# KiCad board reform2-motherboard25.kicad_pcb (continued)
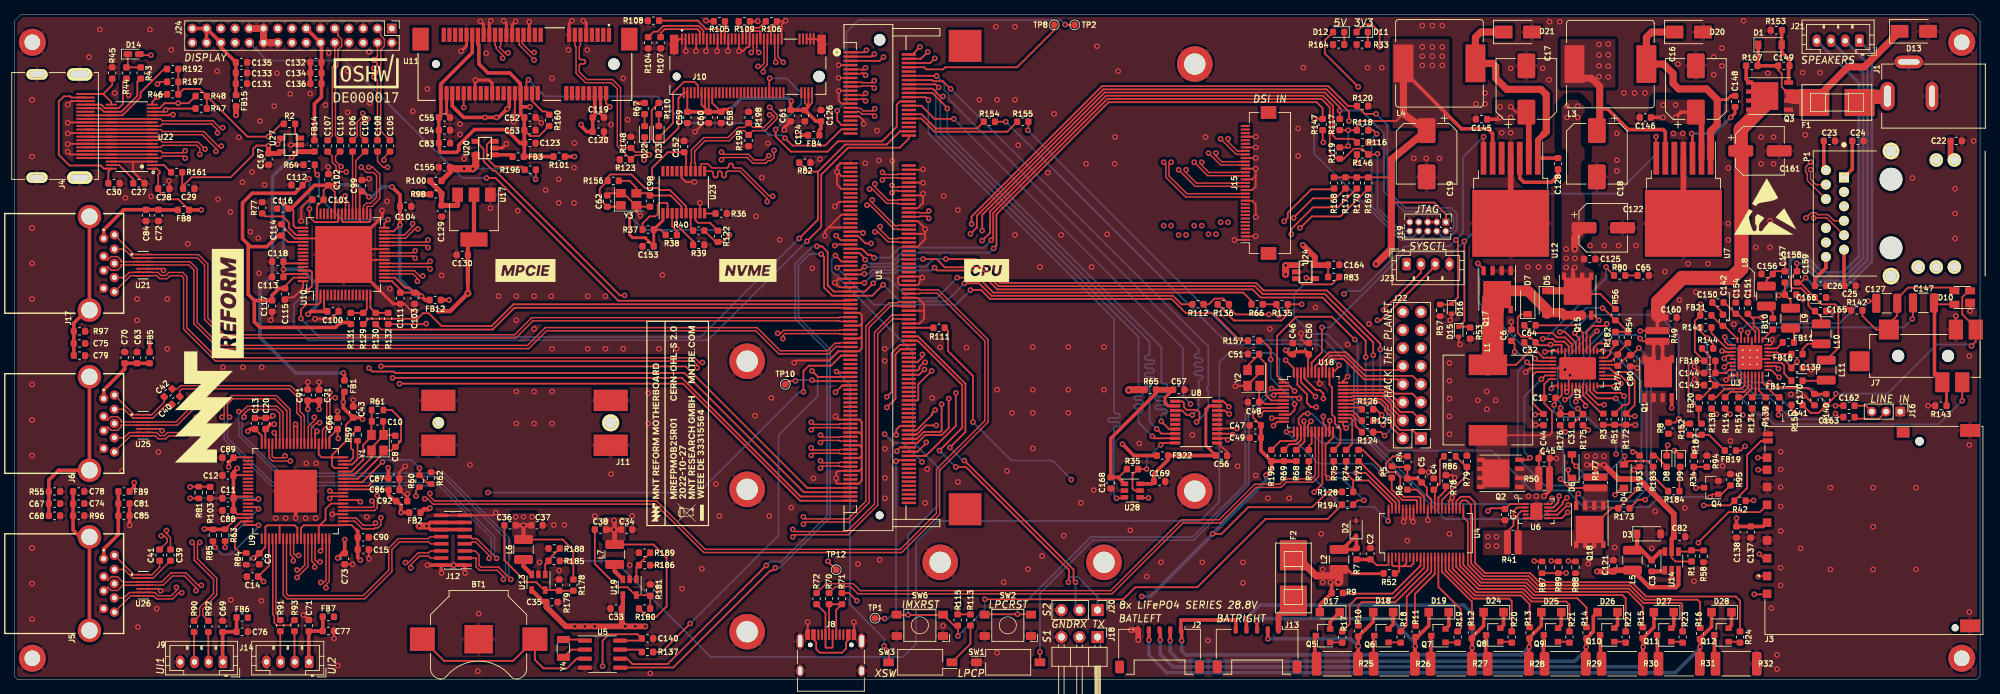
[diagram p0: board, top side]
## Routing (per net, layer and track width the routed paths; a pad name or vN(x,y) marks a point on that pad's centre or on a via; arc(x,y) is an arc through that point) (continued)
USB1_DN: length 135.9
  Top w0.2: v1(57.63,25.43) 58.05,25.43 58.81,24.67 90.01,24.67 96.81,17.88 124.59,17.88 129.93,23.21 129.93,29.41 136.72,36.21 136.72,47.79 129.74,54.78 127.18,54.78 127.1,54.85 U1.100 ; v1(44.3,25.47) 44.6,25.77 46.15,25.77 U9.69
  Signal.Cu w0.2: v1(44.3,25.47) 44.6,25.77 48.69,25.77 49.89,26.97 56.51,26.97 57.63,25.85 v1(57.63,25.43)
USB1_DP: length 134.4
  Top w0.2: v1(44.3,26.53) 44.6,26.23 46.15,26.23 U9.70 ; U1.102 127.1,54.25 127.18,54.33 129.56,54.33 136.28,47.61 136.28,36.39 129.47,29.59 129.47,23.39 124.41,18.33 96.99,18.33 90.19,25.12 58.99,25.12 58.37,25.75 v1(58.37,26.17)
  Signal.Cu w0.2: v1(44.3,26.53) 44.6,26.23 48.51,26.23 49.71,27.42 56.69,27.42 57.95,26.17 v1(58.37,26.17)
USB1_RX_N: length 110.9
  Top w0.2: U1.112 123.23,51.25 120.78,48.79 120.78,24.69 116.91,20.83 109.6,20.83 v1(109.3,21.12) ; U9.62 46.19,22.27 47.81,22.27 48.88,21.2 50.54,21.2 50.67,21.33 51.02,21.33 51.47,21.78 v1(51.47,22.77)
  Signal.Cu w0.2: v1(109.3,21.12) 109,20.83 108.71,20.83 106.61,18.72 55.09,18.72 51.47,22.35 v1(51.47,22.77)
USB1_RX_P: length 109.4
  Top w0.2: U1.114 124.1,50.65 124.02,50.72 123.34,50.72 121.22,48.61 121.22,24.51 117.09,20.37 109.6,20.37 v1(109.3,20.08) ; U9.63 46.19,22.73 47.99,22.73 49.02,21.7 50.4,21.7 v1(50.73,22.03)
  Signal.Cu w0.2: v1(109.3,20.08) 109,20.37 108.89,20.37 106.79,18.28 54.91,18.28 51.15,22.03 v1(50.73,22.03)
USB1_TX_N: length 112.2
  Top w0.2: U1.106 124.1,53.05 124.02,52.97 122.86,52.97 119.57,49.69 119.57,25.09 117.08,22.6 111.1,22.6 v1(110.8,22.9) ; v1(50.97,25.87) 50.97,24.15 50.59,23.77 46.19,23.77 U9.65
  Signal.Cu w0.2: v1(110.8,22.9) 110.5,22.6 108.38,22.6 105.91,20.12 56.29,20.12 50.97,25.45 v1(50.97,25.87)
USB1_TX_P: length 111.2
  Top w0.2: U1.108 124.1,52.45 124.02,52.53 123.04,52.53 120.03,49.51 120.03,24.91 117.27,22.15 111.1,22.15 v1(110.8,21.85) ; U9.66 46.19,24.23 50.41,24.23 50.52,24.34 50.52,24.84 v1(50.23,25.13)
  Signal.Cu w0.2: v1(110.8,21.85) 110.5,22.15 108.57,22.15 106.09,19.67 56.11,19.67 50.65,25.13 v1(50.23,25.13)
USB2_DN: length 117.9
  Top w0.2: U1.125 115.9,47.35 115.82,47.28 115.21,47.28 114.16,46.22 107.54,46.22 104.29,49.47 74.56,49.47 72.06,46.97 28.89,46.97 25.67,50.19 25.67,57.74 24.69,58.72 19.35,58.72 19.33,58.75 U21.12 18.21,58.75 18.19,58.72 18.01,58.72 17.99,58.75 U21.3 16.87,58.75 16.85,58.72 15.01,58.72 15.01,58.96 14.52,59.45 13.6,59.45 13.11,58.96 13.11,58.95 J17.2
USB2_DP: length 117.9
  Top w0.2: J17.3 13.11,58.05 13.11,58.04 13.6,57.55 14.52,57.55 15.01,58.04 15.01,58.28 16.85,58.28 16.87,58.25 U21.4 17.99,58.25 18.01,58.28 18.19,58.28 18.21,58.25 U21.11 19.33,58.25 19.35,58.28 24.51,58.28 25.22,57.56 25.22,50.01 28.71,46.53 72.24,46.53 74.74,49.03 104.11,49.03 107.36,45.78 114.34,45.78 115.39,46.83 115.82,46.83 115.9,46.75 U1.127
USB2_RX_N: length 122
  Top w0.2: J17.5 16.34,56.78 16.85,56.78 16.87,56.75 U21.7 17.99,56.75 18.01,56.78 18.19,56.78 18.21,56.75 U21.8 19.33,56.75 19.35,56.78 20,56.78 20.43,56.35 21.47,56.35 21.9,56.78 23.46,56.78 23.77,56.46 23.77,49.26 28.26,44.78 95.36,44.78 95.88,44.25 v1(95.88,43.83) ; v1(107.92,47.93) 107.92,48.35 108.19,48.62 115.82,48.62 115.9,48.55 U1.121
  Signal.Cu w0.2: v1(107.92,47.93) 107.5,47.93 107.28,47.71 107.28,43.61 104.09,40.42 99.71,40.42 96.3,43.83 v1(95.88,43.83)
USB2_RX_P: length 121.4
  Top w0.2: J17.6 15.42,56.5 16.15,57.22 16.85,57.22 16.87,57.25 U21.6 17.99,57.25 18.01,57.22 18.19,57.22 18.21,57.25 U21.9 19.33,57.25 19.35,57.22 20.19,57.22 20.61,56.8 21.29,56.8 21.71,57.22 23.64,57.22 24.23,56.64 24.23,49.44 28.44,45.22 95.54,45.22 96.2,44.57 v1(96.62,44.57) ; U1.119 115.9,49.15 115.82,49.08 108.01,49.08 107.6,48.67 v1(107.18,48.67)
  Signal.Cu w0.2: v1(107.18,48.67) 107.18,48.25 106.82,47.89 106.82,43.79 103.91,40.88 99.89,40.88 96.62,44.15 v1(96.62,44.57)
USB2_TX_N: length 114.1
  Top w0.2: J17.8 15.42,60.5 16.65,59.28 16.85,59.28 16.87,59.25 U21.2 17.99,59.25 18.01,59.28 18.19,59.28 18.21,59.25 U21.13 19.33,59.25 19.35,59.28 25.71,59.28 26.72,58.26 26.72,50.61 29.31,48.03 70.44,48.03 72.84,50.42 115.82,50.42 115.9,50.35 U1.115
USB2_TX_P: length 114.7
  Top w0.2: U1.113 115.9,50.95 115.82,50.88 72.66,50.88 70.26,48.47 29.49,48.47 27.17,50.79 27.17,58.44 25.89,59.72 19.35,59.72 19.33,59.75 U21.14 18.21,59.75 18.19,59.72 18.01,59.72 17.99,59.75 U21.1 16.87,59.75 16.85,59.72 16.84,59.72 J17.9
USB3_1_DN: length 42.5
  Top w0.2: v1(44.33,40.37) 44.33,39.95 43.87,39.49 43.87,35.71 43.27,35.12 43.27,33.19 U9.3 ; J6.2 13.11,36.45 13.11,36.46 13.6,36.95 14.52,36.95 15.01,36.46 15.01,36.22 16.85,36.22 16.87,36.25 U25.3 17.99,36.25 18.01,36.22 18.19,36.22 18.21,36.25 U25.12 19.33,36.25 19.35,36.22 22.71,36.22 24.48,37.99 v1(24.48,38.4)
  Signal.Cu w0.2: v1(24.48,38.4) 25.5,39.42 43.81,39.42 44.33,39.95 v1(44.33,40.37)
USB3_1_DP: length 42.5
  Top w0.2: v1(25.53,38.4) 22.9,35.78 19.35,35.78 19.33,35.75 U25.11 18.21,35.75 18.19,35.78 18.01,35.78 17.99,35.75 U25.4 16.87,35.75 16.85,35.78 15.01,35.78 15.01,35.54 14.52,35.05 13.6,35.05 13.11,35.54 13.11,35.55 J6.3 ; U9.2 43.73,33.19 43.73,34.93 44.32,35.53 44.32,39.3 44.65,39.63 v1(45.07,39.63)
  Signal.Cu w0.2: v1(45.07,39.63) 44.65,39.63 43.99,38.97 25.69,38.97 25.53,38.81 v1(25.53,38.4)
USB3_1_SSRXN: length 38.8
  Top w0.2: v1(42.13,36.87) 42.13,36.45 41.27,35.59 41.27,33.19 U9.7 ; v1(26.27,36.13) 25.85,36.13 23.99,34.28 21.7,34.28 21.27,33.85 20.23,33.85 19.8,34.28 19.35,34.28 19.33,34.25 U25.8 18.21,34.25 18.19,34.28 18.01,34.28 17.99,34.25 U25.7 16.87,34.25 16.85,34.28 16.34,34.28 J6.5
  Signal.Cu w0.2: v1(42.13,36.87) 42.13,36.45 39.61,33.92 26.19,33.92 25.53,34.59 25.53,35.81 25.85,36.13 v1(26.27,36.13)
USB3_1_SSRXP: length 38.9
  Top w0.2: v1(42.87,36.13) 42.45,36.13 41.73,35.41 41.73,33.19 U9.6 ; J6.6 15.42,34 16.15,34.72 16.85,34.72 16.87,34.75 U25.6 17.99,34.75 18.01,34.72 18.19,34.72 18.21,34.75 U25.9 19.33,34.75 19.35,34.72 19.99,34.72 20.41,34.3 21.09,34.3 21.51,34.72 23.81,34.72 25.53,36.45 v1(25.53,36.87)
  Signal.Cu w0.2: v1(25.53,36.87) 25.53,36.45 25.08,35.99 25.08,34.41 26.01,33.47 39.79,33.47 42.45,36.13 v1(42.87,36.13)
USB3_1_SSTXN: length 24.7
  Top w0.2: U9.9 40.27,33.19 40.27,36.91 39.67,37.51 39.67,39.81 38.61,40.88 23.57,40.88 23.24,40.55 C40.1
USB3_1_SSTXP: length 25.8
  Top w0.2: U9.8 40.73,33.19 40.73,37.09 40.12,37.69 40.12,39.99 38.79,41.33 23.38,41.33 22.92,40.87 C42.1
USB3_2_DN: length 39.9
  Top w0.2: v1(26.27,13.27) 25.85,13.27 24.09,15.03 22.01,15.03 20.73,13.75 19.38,13.75 19.35,13.78 U26.12 18.24,13.78 18.21,13.75 18.04,13.75 18.01,13.78 U26.3 17.41,13.72 15.24,13.72 14.52,14.45 13.6,14.45 13.11,13.96 13.11,13.95 J5.2 ; U9.59 43.77,19.81 43.77,13.99 43.45,13.67 v1(43.03,13.67)
  Signal.Cu w0.2: v1(26.27,13.27) 26.56,12.98 42.76,12.98 43.03,13.25 v1(43.03,13.67)
USB3_2_DP: length 40.9
  Top w0.2: v1(25.53,12.53) 25.53,12.95 23.91,14.58 22.19,14.58 20.92,13.3 19.38,13.3 19.35,13.28 U26.11 18.24,13.28 18.21,13.3 18.04,13.3 18.01,13.28 U26.4 15.24,13.28 14.52,12.55 13.6,12.55 13.11,13.04 13.11,13.05 J5.3 ; U9.60 44.23,19.81 44.23,13.81 43.77,13.35 v1(43.77,12.93)
  Signal.Cu w0.2: v1(43.77,12.93) 43.35,12.93 42.95,12.53 v1(25.53,12.53)
USB3_2_SSRXN: length 34.7
  Top w0.2: v1(39.7,14.38) 41.23,15.9 41.23,19.81 U9.54 ; J5.5 16.36,11.8 16.87,11.8 16.9,11.78 U26.7 18.01,11.78 18.04,11.8 18.21,11.8 18.24,11.78 U26.8 19.35,11.78 19.38,11.8 19.58,11.8 20.03,11.35 22.22,11.35 23.1,12.23 v1(23.52,12.23)
  Signal.Cu w0.2: v1(23.52,12.23) 23.52,12.65 25.54,14.67 39.4,14.67 v1(39.7,14.38)
USB3_2_SSRXP: length 33
  Top w0.2: J5.6 15.42,11.5 16.17,12.25 16.87,12.25 16.9,12.28 U26.6 18.01,12.28 18.04,12.25 18.21,12.25 18.24,12.28 U26.9 19.35,12.28 19.38,12.25 19.76,12.25 20.21,11.8 22.03,11.8 22.78,12.55 v1(22.78,12.97) ; U9.53 40.77,19.81 40.77,16.09 40.11,15.42 v1(39.7,15.42)
  Signal.Cu w0.2: v1(22.78,12.97) 23.2,12.97 25.36,15.13 39.4,15.13 v1(39.7,15.42)
USB3_2_SSTXN: length 32.9
  Top w0.2: U9.56 42.23,19.81 42.23,16.84 42.5,16.57 v1(42.92,16.57) ; C39.1 21.94,19.98 21.37,20.55 v1(21.37,20.97)
  Signal.Cu w0.2: v1(42.92,16.57) 42.5,16.57 41.83,17.24 41.83,18.09 40.49,19.42 32.71,19.42 30.21,16.92 24.99,16.92 21.37,20.55 v1(21.37,20.97)
USB3_2_SSTXP: length 33.3
  Top w0.2: C41.1 21.49,19.38 21.49,19.8 21.05,20.23 v1(20.63,20.23) ; v1(42.18,15.83) 42.18,16.25 41.77,16.66 41.77,19.81 U9.55
  Signal.Cu w0.2: v1(42.18,15.83) 42.18,16.25 41.38,17.06 41.38,17.91 40.31,18.97 32.89,18.97 30.39,16.47 24.81,16.47 21.05,20.23 v1(20.63,20.23)
USB3_3_DN: length 38.2
  Top w0.2: R92.1 26.48,9.06 26.48,9.96 28.43,11.91 28.43,14.29 25.73,16.99 25.73,19 v1(26.03,19.3) ; U9.18 35.77,33.15 35.77,31.21 36.25,30.73 v1(38.77,30.73)
  Signal.Cu w0.2: v1(26.03,19.3) 25.73,19.6 25.73,22.21 30.99,27.47 35.09,27.47 38.35,30.73 v1(38.77,30.73)
USB3_3_DP: length 37.2
  Top w0.2: v1(24.97,19.3) 25.27,19 25.27,16.81 27.97,14.11 27.97,12.09 26.02,10.14 26.02,9.06 R90.1 ; U9.17 36.23,33.15 36.23,31.39 36.44,31.18 37.74,31.18 v1(38.03,31.47)
  Signal.Cu w0.2: v1(24.97,19.3) 25.27,19.6 25.27,22.39 30.81,27.92 34.91,27.92 38.03,31.05 v1(38.03,31.47)
USB3_3_SSRXN: length 71.1
  Top w0.2: v1(67.72,17.05) 64.95,19.83 64.28,19.83 64,20.1 J12.9 ; v1(30.22,36.9) 29.93,37.2 29.93,38.71 30.69,39.47 36.61,39.47 38.27,37.81 38.27,33.19 U9.13
  Bottom w0.2: v1(30.22,36.9) 29.93,36.6 29.93,33.99 36.19,27.72 59.79,27.72 67.43,20.09 67.43,17.35 v1(67.72,17.05)
USB3_3_SSRXP: length 71.6
  Top w0.2: U9.12 38.73,33.19 38.73,37.99 36.79,39.92 30.51,39.92 29.47,38.89 29.47,37.2 v1(29.17,36.9) ; J12.7 64,19.1 64.28,19.38 64.76,19.38 66.67,17.46 v1(66.67,17.05)
  Bottom w0.2: v1(66.67,17.05) 66.97,17.35 66.97,19.91 59.61,27.28 36.01,27.28 29.47,33.81 29.47,36.6 v1(29.17,36.9)
USB3_3_SSTXN: length 71.2
  Top w0.2: v1(69.72,14.1) 68,15.83 65.53,15.83 65.25,16.1 65.25,17.55 64.7,18.1 J12.5 ; U9.15 37.27,33.19 37.27,37.41 36.71,37.97 32.89,37.97 32.27,37.35 v1(32.27,36.93)
  Bottom w0.2: v1(32.27,36.93) 31.98,36.64 31.98,34.44 37.39,29.03 60.39,29.03 69.42,19.99 69.43,14.4 v1(69.72,14.1)
USB3_3_SSTXP: length 71.6
  Top w0.2: v1(68.67,14.1) 68.67,14.51 67.81,15.38 65.34,15.38 64.85,15.86 64.85,17.1 J12.3 ; v1(31.53,37.67) 31.95,37.67 32.71,38.42 36.89,38.42 37.73,37.59 37.73,33.19 U9.14
  Bottom w0.2: v1(31.53,37.67) 31.53,34.25 37.21,28.58 60.21,28.58 68.97,19.81 68.97,14.4 v1(68.67,14.1)
USB3_4_DN: length 15.2
  Top w0.2: U9.44 36.3,19.78 36.3,9.15 36.5,8.95 36.5,8.03 36.88,7.65 38.61,7.65 R93.1
USB3_4_DP: length 11.7
  Top w0.2: U9.45 36.75,9.37 36.97,9.14 36.97,8.76 R91.1
USB3_4_SSRXN: length 34.8
  Top w0.2: U9.48 38.23,19.81 38.22,12.09 38.49,11.83 49.01,11.83 52.58,15.39 52.58,18.5 53.9,19.83 58.17,19.83 58.45,20.1 J12.10
USB3_4_SSRXP: length 35.6
  Top w0.2: J12.8 58.45,19.1 58.17,19.38 54.09,19.38 53.03,18.31 53.03,15.21 49.19,11.38 38.31,11.38 37.78,11.91 37.77,19.81 U9.47
USB3_4_SSTXN: length 25.7
  Top w0.2: U9.50 39.23,19.81 39.23,17.74 39.5,17.47 v1(39.92,17.47) ; v1(54.93,16.47) 55.35,16.47 56.71,17.83 58.17,17.83 58.45,18.1 J12.6
  Signal.Cu w0.2: v1(54.93,16.47) 54.93,16.05 53.91,15.03 41.94,15.03 39.92,17.05 v1(39.92,17.47)
USB3_4_SSTXP: length 26.5
  Top w0.2: U9.49 38.77,19.81 38.77,17.56 39.18,17.15 v1(39.18,16.73) ; v1(55.67,15.73) 55.67,16.15 56.89,17.38 58.17,17.38 58.45,17.1 J12.4
  Signal.Cu w0.2: v1(39.18,16.73) 39.6,16.73 41.76,14.58 54.09,14.58 55.25,15.73 v1(55.67,15.73)
USB_PWR: length 548.5
  Top w0.25: U22.1 20.03,71.8 20.41,71.42 20.41,71.16 20.21,70.97 C28.2 20.21,68.77 21.48,67.5 23.04,67.5 FB8.1 ; R60.1 56.4,26.58 v1(56.4,25.8) ; D14.2 17.71,87.75 v1(19.2,87.75) ; v1(134.6,36.2) 134.6,42.7 131.1,46.2 131.1,48.99 R111.1
  Top w0.5: v1(234,35.35) 234.64,35.99 R152.1 ; v1(16.85,27.7) 16.85,27.11 FB9.1 ; v1(26.25,66) FB8.1 ; J12.11 J12.12 58.45,21.1 57.95,21.6 v1(57.9,21.6) 58.4,22.1 J12.14 J12.13 ; FB5.1 v1(19,47.38)
  Top w0.8: U24.1 178.55,58.25 ; v1(31.15,79.3) FB15.1
  Top w1: v1(56.85,21.6) v1(57.9,21.6) ; v1(178.5,58.2) v1(178.5,56.95)
  Power.Cu w0.25: v1(56.85,21.6) 56.77,21.68 56.77,25.43 v1(56.4,25.8)
  Power.Cu w0.5: v1(234,35.35) 234.9,36.25 234.9,56.35 224.85,66.4 195,66.4 188.1,59.5 183.8,59.5 182.5,58.2 v1(178.5,58.2) ; v1(26.25,66) 19.5,66 15.75,69.75 14.05,69.75 11.5,72.3 6.4,72.3 ; v1(19,47.38) 19,43.67 16.85,41.53 v1(16.85,27.7) 17.6,27.7 18.55,26.75 18.55,5.05 18.9,4.7
  Power.Cu w0.8: 6.4,72.3 5.1,73.6 5.1,81.7 6.55,83.15 11.15,83.15 15.75,87.75 v1(19.2,87.75) 21.1,85.85 25.6,85.85 31.15,80.3 v1(31.15,79.3)
  Power.Cu w1: v1(178.5,58.2) v1(178.5,56.95) 176.05,54.5 174.8,54.5 v1(148.43,28.12) 133.05,12.75 99.9,12.75 96.25,9.1 96.25,7.1 93.85,4.7 56.7,4.7 ; 56.7,4.7 18.9,4.7 17.8,3.6 8.85,3.6 6.2,6.25 6.2,72.1 6.4,72.3 ; 56.7,4.7 56.77,4.77 56.77,21.52 v1(56.85,21.6) v1(57.9,21.6)
  Bottom w0.25: v1(148.43,28.12) 145.75,30.8 140,30.8 v1(134.6,36.2)
USB_PWR_EN: length 29.4
  Top w0.25: U24.4 181.5,56.35 v1(181.4,56.45) ; v1(187,35.35) 186.56,35.79 U18.25
  Bottom w0.25: v1(187,35.35) 188.1,36.45 188.1,44.8 184.33,48.57 182.13,48.57 179.7,51 179.7,54.2 181.4,55.9 ; 181.4,55.88 v1(181.4,56.45)
USB_RESETn: length 110.6
  Top w0.25: U1.131 116.1,45.55 114.68,44.13 111.55,44.13 110.8,43.37 v1(110.8,40.45) ; R103.2 27.46,27.12 R81.2 24.72,27.12 v1(24.7,27.1)
  Signal.Cu w0.25: v1(24.7,27.1) 24.7,28.1 29.1,32.5 58.4,32.5 64.6,26.3 v1(66.5,26.3)
  Bottom w0.25: v1(110.8,40.45) 110.23,40.45 96.08,26.3 v1(66.5,26.3)
USBH_1V1: length 169.3
  Top w0.25: 30.8,28.72 C12.1 30.83,28.75 U9.26 ; C86.1 52.47,26.75 U9.71 ; U9.46 37.25,21.55 ; U9.10 39.75,35.65 v1(39.5,35.9) 39.25,35.65 U9.11 ; v1(45.5,33.9) 45.4,34 C66.1 44.25,34.08 U9.1 ; U9.16 36.75,34.45 v1(36.5,34.7) ; U9.37 31.33,23.25 C88.1 ; 42.9,21.7 40.65,21.7 40.25,21.3 U9.52 ; 42.9,21.7 46.12,21.7 U9.61 47.35,21.75 48.1,21 ; 42.9,21.7 43.7,22.5 43.7,24 44.45,24.75 U9.67 ; 42.75,21.55 U9.57 ; U9.20 34.75,34.28 C13.1 ; U9.32 31.03,25.75 C11.1 ; v1(42.5,34.9) 42.25,34.65 U9.5 ; U9.51 39.75,21.35 39.4,21.7 35.5,21.7 35.25,21.45 U9.42 35.25,18.62 C9.1
  Top w0.5: FB2.2 v1(54.3,23.5) 54.3,24.53 53.72,25.1 53.4,25.1 52.55,25.95 C86.1 ; v1(33.6,17.1) 33.72,17.1 C9.1 ; 48.1,21 48.22,20.88 C90.1 48.22,17.17 v1(48.6,16.8) ; C13.1 33.12,35.22 v1(32.8,34.9) ; C12.1 C11.1 C88.1 ; v1(31.3,29.7) 30.8,29.2 30.8,28.72 ; v1(42.8,38) C21.1 C91.1 v1(41.2,38)
  Power.Cu w0.5: v1(41.2,38) 41.2,37.6 v1(39.5,35.9) 38.3,34.7 33,34.7 v1(32.8,34.9) 32.8,31.2 v1(31.3,29.7) 30.8,29.2 30.8,19.68 33.38,17.1 v1(33.6,17.1) 37,20.5 43.9,20.5 46.3,18.1 47.3,18.1 v1(48.6,16.8) 48.6,18.4 50.5,20.3 51.6,20.3 54.3,23 v1(54.3,23.5) 53.9,23.9 53.9,33.6 49.5,38 47.6,38 46.9,37.3 46.9,35.3 v1(45.5,33.9) 45.5,35.3 v1(42.8,38)
  Bottom w0.25: v1(41.2,38) 41.2,36.2 v1(42.5,34.9)
USBH_3V3: length 140.9
  Top w0.25: 44.75,31.25 44.6,31.25 ; 44.75,31.25 U9.80 ; 44.75,31.25 44.6,31.1 44.6,30.1 44.95,29.75 U9.77 ; 44.6,31.25 44.6,31.55 46.55,33.5 46.55,35.8 C43.1 ; 44.6,31.25 43.15,31.25 42.75,31.65 U9.4 ; U9.72 49.75,27.25 50.8,28.3 C87.1 ; 34.22,14.5 35.75,16.03 U9.43 ; U9.19 35.25,35.17 C20.1 ; C89.1 30.83,31.25 U9.21 ; U9.58 43.25,18.35 v1(43,18.1) ; U9.38 31.22,22.75 R63.1 ; U9.68 48.35,25.25 v1(48.6,25)
  Top w0.5: C87.1 52.53,29.78 v1(52.5,29.8) ; v1(35,13.8) 34.3,14.5 34.22,14.5 ; v1(46.4,19.7) C73.1 46.08,17.78 v1(45.4,17.1) ; v1(36.5,35.9) 35.97,35.9 C20.1 ; v1(30.1,29.9) 30.1,30.53 C89.1 ; FB1.2 46.2,40.3 v1(46.2,39) 46.2,38.2 47.56,36.83 C43.1 48.67,36.83 v1(48.9,36.6) ; v1(26.7,21.2) 27.83,21.2 R85.1 29.59,21.12 R63.1
  Power.Cu w0.5: v1(46.4,19.7) 46.4,21.6 48.6,23.8 v1(48.6,25) 48.6,27.2 50.6,29.2 51.9,29.2 v1(52.5,29.8) 52.8,30.1 52.8,32.7 v1(48.9,36.6) ; v1(46.2,39) 45.8,38.6 44,38.6 43.2,39.4 40,39.4 v1(36.5,35.9) 32.1,35.9 31.5,35.3 31.5,31.5 30.1,30.1 v1(30.1,29.9) 29.1,29.9 26.9,27.7 26.9,21.4 v1(26.7,21.2) 27,20.9 27,17.1 30.3,13.8 v1(35,13.8) 35.4,13.8 37.8,16.2 37.8,18.2 38.4,18.8 41,18.8 41.7,18.1 v1(43,18.1) 44.4,18.1 v1(45.4,17.1)
Net-(BT1-Pad1): length 29.2
  Top w0.25: U5.3 78.97,2.97 77.6,1.6 ; BT1.1 60.35,2.65 70.05,2.65 BT1.1 73.1,2.8 74.3,1.6 77.5,1.6
Net-(C1-Pad1): length 23.8
  Top w0.25: v1(224.75,26) 225.7,26.95 D4.1 ; v1(216.2,38.6) 216.39,38.79 C1.1 216.9,39.6 217.25,39.95 217.25,40.73 U2.2
  Power.Cu w0.25: v1(224.9,31.7) 225,31.6 225,26.25 v1(224.75,26)
  Bottom w0.25: v1(224.9,31.7) 224.9,32.9 220.9,36.9 216.9,36.9 216.2,37.6 v1(216.2,38.6)
Net-(C1-Pad2): length 28.5
  Top w0.25: U2.38 215.52,42.25 214.81,41.54 C1.2 214.81,38.84 215.9,37.75 215.9,34.7 215.55,34.35 L1.1
  Top w0.5: Q2.5 206.1,30.91 Q2.5 ; Q2.8 206.1,27.09 Q2.5 ; Q2.5 207.38,28.36 Q2.7 ; Q2.5 207.38,29.64 Q2.6
Net-(C2-Pad1): length 6
  Top w0.25: U4.1 192.95,16.1 191.3,16.1 190.5,16.9
  Top w0.5: 190.5,16.9 188.46,16.9 R7.2
Net-(C3-Pad1): length 8.2
  Top w0.6: U14.6 231.12,18.01 C3.1 228.49,18.2 L5.1 227.85,18.85 D3.1
Net-(C3-Pad2): length 1.9
  Top w0.6: C3.2 231.57,15.21 U14.1
Net-(C4-Pad1): length 8.1
  Top w0.25: U4.31 199.45,26.56 C4.1 200.15,27.56 200.15,30.83 200.72,31.4
Net-(C8-Pad1): length 16.6
  Top w0.25: U9.74 48.25,28.25 51.85,31.85 Y1.1 52.99,32.2 C8.1 54.3,33.51 54.3,36.6 53,37.9 R61.1
Net-(C10-Pad1): length 11
  Top w0.25: C10.1 50.15,36.24 Y1.3 50.15,34.15 49,33 49,30.93 47.32,29.25 U9.76 ; R61.2 50.17,36.34
Net-(C10-Pad2): length 13.4
  Top w0.25: Y1.4 50.15,31.2 47.7,28.75 U9.75 ; Y1.4 50.15,31.3 ; Y1.4 50.15,32.6 51.85,34.3 Y1.2 ; C8.2 53.39,34.4 Y1.2 ; Y1.2 51.85,36.24 C10.2
Net-(C23-Pad1): length 4.2
  Top w0.5: C23.1 254.06,71.89 P1.7
Net-(C24-Pad1): length 5.6
  Top w0.5: C24.1 258.06,71.74 P1.1
Net-(C25-Pad1): length 5.1
  Top w0.5: P1.6 256.9,55.41 C25.1
Net-(C26-Pad1): length 4.7
  Top w0.5: P1.12 254.36,57.86 252.81,56.31 C26.1
Net-(C27-Pad2): length 4.5
  Top w0.25: C27.2 16.71,70.33 14.74,72.3 U22.37
Net-(C30-Pad1): length 22
  Top w0.25: J4.18 8.02,81.8 7.85,81.98 6.98,81.98 6.25,81.25 6.25,73.75 7.75,72.25 12.14,72.25 12.59,71.8 U22.38 13.21,71.39 C30.1
Net-(C31-Pad1): length 19.2
  Top w0.25: C31.1 R176.2 217.11,37.4 v1(217.11,38.19) ; U2.22 221.25,48.02 v1(222.21,48.99)
  Bottom w0.25: v1(217.11,38.19) 217.11,38.92 216.7,39.34 216.7,43.9 221.79,48.99 v1(222.21,48.99)
Net-(C31-Pad2): length 24.1
  Top w0.25: v1(223.6,50) 223.31,49.71 221.61,49.71 220.75,48.85 U2.23 ; v1(219.52,38.1) 220.25,37.37 R175.2 220.23,37.34 C31.2
  Bottom w0.25: v1(219.52,38.1) 218.95,38.1 218.45,38.6 218.45,39.55 220.35,41.45 220.35,46.1 223.6,49.35 v1(223.6,50)
Net-(C32-Pad1): length 35
  Top w0.25: U2.30 217.25,47 217.2,47.05 215.75,47.05 v1(215.7,47.1) 215.6,47 213.99,47 C32.1 212.79,48.2 211.6,48.2 211.1,48.7 211.1,50.9 211.55,51.35 D7.1 ; v1(218.2,29.5) 218.2,28.85 D6.1
  Signal.Cu w0.25: v1(215.7,47.1) 215.78,47.02 215.78,42.18 214.9,41.3 214.9,35.1 213.7,33.9 213.7,31 215.2,29.5 v1(218.2,29.5)
Net-(C32-Pad2): length 41.7
  Top w0.25: Q17.5 206.29,52.21 208.19,54.11 Q17.5 208.21,54.11 210.1,52.21 Q17.8 ; L1.2 210.85,44.25 212.7,46.1 ; 212.7,46.1 212.7,46.71 C32.2 ; 212.7,46.1 213.83,46.1 214.68,45.25 U2.32
  Top w1: 215.2,51.35 215.05,51.35
  Top w1.2: Q15.1 Q15.2 Q15.3
  Top w1.3: Q15.1 217.25,51.58 215.43,51.58 215.2,51.35
  Top w1.5: 215.2,51.95 D7.2 208.74,54.65 Q17.5
  Top w3: Q17.5 207.6,53.51 207.6,44.95 L1.2
Net-(C36-Pad2): length 16.4
  Top w0.25: R178.2 R179.1 76.41,12.6 U13.5 74.4,12.6 73.3,13.7 71.9,13.7 68.81,16.79 C36.2
Net-(C38-Pad2): length 16.3
  Top w0.25: R180.2 89.3,10.01 R181.1 89.21,11.9 U19.5 87.2,11.9 86.1,13 84.8,13 81.51,16.29 C38.2
Net-(C45-Pad2): length 17.9
  Top w0.25: Q2.2 211.44,28.3 R50.2 214.05,31.06 C45.2 214.01,31.51 v1(214.5,32) ; v1(217.7,39.36) 217.93,39.36 218.75,40.18 U2.5
  Signal.Cu w0.25: v1(217.7,39.36) 217.84,39.22 217.84,36.66 214.5,33.33 v1(214.5,32)
Net-(C48-Pad1): length 5.9
  Top w0.25: Y2.1 174.79,41.24 C48.1 175.32,39 175.57,38.75 U18.7
Net-(C51-Pad1): length 11.9
  Top w0.25: U18.6 178.24,39.25 176.48,39.25 175.8,39.93 175.8,44.33 174.79,45.34 C51.1 173.15,44.11 Y2.3
Net-(C63-Pad1): length 9.7
  Top w0.5: J6.1 12.56,40.71 15.5,43.65 C70.1 C63.1 FB5.2
Net-(C64-Pad1): length 9.7
  Top w0.25: U2.24 220.25,48.75 219.2,49.8 C64.1
Net-(C64-Pad2): length 8.8
  Top w0.25: C64.2 213.11,48.7 216,48.7 216.6,48.1 217.75,48.1 218.75,47.1 U2.27
Net-(C65-Pad2): length 1.7
  Top w0.25: R80.1 C65.2
Net-(C67-Pad1): length 24.4
  Top w0.5: J6.10 J6.10 6.23,29.43 4.86,28.06 R55.1 C67.1 C68.1
Net-(C69-Pad1): length 8.2
  Top w0.5: J9.1 29.25,2.55 C69.1 ; FB6.2 C76.1 29.29,6.75
Net-(C71-Pad1): length 8.3
  Top w0.5: FB7.2 C77.1 41.39,6.85 C71.1 41.35,2.55 J14.1
Net-(C72-Pad1): length 12.8
  Top w0.5: J17.1 12.56,63.21 15.39,66.04 C84.1 C72.1 20.29,66 FB8.2
Net-(C74-Pad1): length 21.3
  Top w0.5: C78.1 C74.1 R96.1 8.26,21.04 9.23,20.07 J5.10 J5.10
Net-(C75-Pad1): length 20.7
  Top w0.5: C79.1 C75.1 R97.1 8.36,50.11 10.18,51.93 J17.10 J17.10
Net-(C80-Pad2): length 31.3
  Top w0.25: v1(228.1,46.6) 227.09,45.59 C80.2 226.62,45.59 R174.2 225.01,44.25 U2.17 ; v1(229,25.3) 227.99,25.3 R173.1
  Bottom w0.25: v1(229,25.3) 229.8,26.1 229.8,44.9 v1(228.1,46.6)
Net-(C81-Pad1): length 10.3
  Top w0.5: J5.1 12.56,18.36 14.61,20.41 C85.1 C81.1 FB9.2
Net-(C100-Pad1): length 110.2
  Top w0.25: v1(54.16,63.9) 53.26,63 U10.31 ; v1(49.8,67.85) 49.04,68.61 C99.1 48.5,68.31 U10.36 48.5,64.46 ; 48.5,64.46 48.66,64.3 49.84,64.3 50,64.46 U10.33 ; 48.5,64.46 48.34,64.3 46.16,64.3 46,64.46 U10.41 ; C100.1 43.5,52.21 U10.3 ; U10.59 38.04,58.5 C118.1 37.79,57.61 37.8,57.6 37.79,57.59 C113.1 38.19,57 U10.62 ; U10.48 42.5,66.51 C101.1 43.44,68.8 C102.1 45,68.56 U10.43 ; U10.49 39.5,63.5 39.2,63.8 39.2,65.92 38.92,66.2 C116.1 ; U10.17 53.03,56 54.2,54.83 C111.1 C103.1 55.5,55.09 54.86,55.09 53.45,56.5 U10.18
  Top w0.5: v1(41.25,51.35) 41.65,51.75 C100.1 ; v1(45.45,69.55) 44.19,69.55 C102.1 42.14,69.46 38.88,66.2 C116.1 37.45,67.24 v1(37.45,67.25) ; v1(54.16,63.9) 54.16,68.14 v1(53.05,69.25) ; FB12.2 57.7,53.35 v1(57.17,53.88) 56.66,54.39 C103.1
  Bottom w0.5: v1(57.17,53.88) 56.52,53.88 54.15,56.25 54.15,63.89 v1(54.16,63.9) ; v1(37.45,67.25) 37.8,66.9 v1(37.8,57.65) 40.4,57.65 42.45,55.6 42.45,52.55 v1(41.25,51.35) ; v1(45.45,69.55) 48.1,69.55 v1(49.8,67.85) 50.25,67.85 51.65,69.25 v1(53.05,69.25)
Net-(C123-Pad1): length 82.6
  Top w0.25: v1(83.6,80.5) 83.1,81 U11.2 ; R160.1 73.69,76.4 72.41,76.4 C53.1
  Top w0.5: 71.1,80.5 U11.24 71.05,82.45 71.05,83.76 69.56,85.25 66.5,85.25 65.24,86.51 65.24,89.15 65.1,89.29 U11.39 ; 71.1,80.5 71.1,79.51 C52.1 C53.1 C123.1 ; 71.1,80.5 v1(72.4,80.5) ; R67.1 88.46,81 v1(87.25,81) ; 71.61,73.6 C123.1 ; C123.1 71,75.4 69.1,77.3 64.6,77.3 62.4,75.1 62.4,74.39 62.11,74.1 59.9,74.1 59.7,74.3 59.7,75.33 C83.1 59.61,75.41 C54.1 C55.1 59.9,79.29 U11.52 59.9,83.71 64.3,88.11 U11.41 ; FB3.2 R101.2
  Power.Cu w0.5: v1(72.4,80.5) v1(83.6,80.5) 86.75,80.5 v1(87.25,81)
Net-(C124-Pad1): length 61.8
  Top w0.25: C60.1 96.5,80.79 J10.12 ; C60.1 97,80.29 J10.14 ; C60.1 J10.16 ; J10.18 98,81.04 C58.1 ; 111.5,80.54 112,81.04 J10.74 ; 111.5,80.54 J10.72 ; 111.5,80.54 111,81.04 J10.70 ; C59.1 J10.4 J10.2 93.25,81.72 93.25,77.5 91.2,75.45 90.02,75.45 89.5,75.97 89.5,80.04 R110.1
  Top w0.5: 99.5,80.04 C58.1 ; C58.1 99.56,80.1 v1(100.5,80.1) ; C58.1 C60.1 C59.1 ; C124.1 C61.1 109,81.2 v1(109.1,81.3) ; C124.1 111.5,80.54 ; C124.1 112.57,78.46 C126.1 113.25,77.42 113.04,77.21 FB4.2
  Bottom w0.5: v1(109.1,81.3) 108.7,81.7 102.1,81.7 v1(100.5,80.1)
Net-(C127-Pad1): length 19
  Top w0.25: R142.1 259.49,51.11 261.4,49.2 J7.2 263.2,50 264.38,51.17 C127.1 264.38,53.58 265.9,55.1 271.95,55.1 D10.3
Net-(C127-Pad2): length 22.2
  Top w0.25: v1(242.4,49.1) 242.45,49.05 U3.31 ; C127.2 261.12,53.2 v1(260.3,53.2)
  Bottom w0.25: v1(242.4,49.1) 243.4,50.1 256.3,50.1 259.4,53.2 v1(260.3,53.2)
Net-(C128-Pad1): length 32.9
  Top w0.5: C128.1 213.92,73.29 U12.1
  Top w0.8: 214.7,76.6 213.91,75.81 U12.1
  Top w1: D21.1 205.9,91 205.15,90.25 L4.1 207.55,86.6 208,86.15 208,84.5 209.55,82.95 214.35,82.95 215.1,82.2 215.1,77 214.7,76.6
Net-(C128-Pad2): length 9.7
  Top w0.5: U12.3 211.37,70.47 211.94,69.9 215.8,69.9 216.75,70.85 C128.2
Net-(C129-Pad1): length 7.9
  Top w0.7: R100.1 58.41,69.99 59.99,68.41 R98.1 59.99,66.65 C129.1 62.25,66.64 U17.3
Net-(C137-Pad1): length 161.5
  Top w0.25: v1(244.2,25.2) 244.15,25.15 R42.1
  Top w0.4: C56.1 167.3,32.91 167.3,38 167.78,38.47 U8.19
  Top w0.5: C56.1 v1(163.4,31.5) FB22.2 161.99,30.89 160.01,28.91 C169.1 159.69,27.53 U28.6 ; J3.4 245.56,21.54 241.75,21.54 ; v1(241.8,22.7) C138.1
  Power.Cu w0.25: 244.35,22.15 244.35,25.05 v1(244.2,25.2)
  Power.Cu w0.5: v1(241.8,22.7) 242.35,22.15 244.35,22.15 249.7,16.8 249.7,10.95 242.2,3.45 174.45,3.45 165.45,12.45 165.45,15.85 160.7,20.6 160.7,28.8 v1(163.4,31.5)
Net-(C139-Pad1): length 36.6
  Top w0.25: v1(245.35,50.9) 243.91,50.9 C151.1 244.2,50.61 244.2,49.83 244.95,49.08 U3.26 ; U3.21 246.95,45.55 247.3,45.2 248.26,45.2 249.51,43.94 C139.1 249.51,43.91 v1(250.3,44.7) ; v1(243,32.8) 242.4,32.2 FB19.2
  Power.Cu w0.25: v1(243,32.8) 244.65,34.45 244.65,37.91 250.3,43.56 v1(250.3,44.7) 250.3,45.95 v1(245.35,50.9)